# KiCad board 8851_HW-U1-VCU118_REV2-0_071417.kicad_pcb (continued)
## Routing (per net, layer and track width the routed paths; a pad name or vN(x,y) marks a point on that pad's centre or on a via; arc(x,y) is an arc through that point) (continued)
DDR4_C2_DQS2_C: length 45.7
  TOP w0.142: v2(131.14,70.71) 130.65,70.22 ; v1(156.26,60.68) 156.65,60.29
  05_SIG2 w0.125: v2(131.14,70.71) 131.14,70.43 131.03,70.32 130.85,70.32 130.68,70.49 130.68,70.89 130.89,71.1 131.3,71.1 131.53,70.87 131.53,70.47 131.88,70.11 132.28,70.11 132.51,69.89 132.51,69.48 132.86,69.13 133.27,69.13 133.5,68.9 133.5,68.5 133.85,68.15 134.25,68.15 134.48,67.92 134.48,67.51 134.83,67.16 135.24,67.16 135.46,66.93 135.46,66.53 135.82,66.18 136.22,66.18 136.45,65.95 136.45,65.35 137.41,64.38 138.1,64.38 138.42,64.06 138.42,63.58 138.77,63.23 139.91,63.23 140.21,62.92 140.21,62.84
  05_SIG2 w0.175: 151.54,58.84 151.87,59.17 151.87,60.84 152.14,61.11 156.42,61.11 156.5,61.03 156.5,60.93 v1(156.26,60.68) ; 140.38,62.67 140.21,62.84
  05_SIG2 w0.205: 151.54,58.84 151.44,58.74 150.21,58.74 150.03,58.56 150.03,56.49 149.7,56.16 149.19,56.16 148.81,56.54 148.81,58.61 148.68,58.74 147.71,58.74 147.59,58.62 147.59,57.22 147.28,56.92 146.54,56.92 146.13,57.33 146.13,59.01 146.02,59.11 143.94,59.11 140.38,62.67
  vias: v1(160.19,59.9)
DDR4_C2_DQS2_T: length 46.3
  TOP w0.142: v2(130.15,70.71) 129.66,70.22 ; 157.44,60.29 v1(157.05,60.68)
  TOP w0.375: U1.AU29 v2(122.28,51.03)
  05_SIG2 w0.105: 140.39,63.09 140.38,63.09
  05_SIG2 w0.125: v2(130.15,70.71) 130.65,71.21 130.75,71.31 131.39,71.31 131.74,70.96 131.74,70.55 131.97,70.32 132.37,70.32 132.72,69.97 132.72,69.57 132.95,69.34 133.35,69.34 133.7,68.99 133.7,68.58 133.93,68.36 134.34,68.36 134.69,68 134.69,67.6 134.92,67.37 135.32,67.37 135.67,67.02 135.67,66.62 135.9,66.39 136.3,66.39 136.65,66.04 136.65,65.43 137.5,64.59 138.18,64.59 138.63,64.14 138.63,63.66 138.85,63.43 140,63.43 140.34,63.09 140.38,63.09
  05_SIG2 w0.175: v1(157.05,60.68) 156.8,60.93 156.8,61.16 156.55,61.41 152.02,61.41 151.57,60.97 151.57,59.3 151.33,59.05 ; 140.59,62.89 140.39,63.09
  05_SIG2 w0.205: 151.33,59.05 151.31,59.04 150.08,59.04 149.73,58.68 149.73,56.61 149.57,56.46 149.32,56.46 149.11,56.67 149.11,58.74 148.81,59.04 147.59,59.04 147.29,58.74 147.29,57.35 147.16,57.22 146.67,57.22 146.43,57.46 146.43,59.13 146.14,59.42 144.06,59.42 140.59,62.89
DDR4_C2_DQS3_C: length 60.4
  TOP w0.142: v2(127.2,73.66) 126.71,73.17 ; 152.71,63.44 v1(152.32,63.05)
  03_SIG1 w0.125: 140.38,75.29 140.33,75.25 130.89,75.25 130.54,74.89 130.54,74.49 130.31,74.26 128.92,74.26 128.58,73.92 128.58,73.48 128.37,73.28 127.33,73.28 127.2,73.4 v2(127.2,73.66)
  03_SIG1 w0.175: v1(152.32,63.05) 152.41,63.13 152.6,63.13 152.68,63.05 152.68,62.82 152.45,62.59 152.11,62.59 151.92,62.78 151.92,63.48 151.54,63.86
  03_SIG1 w0.205: 140.38,75.29 141,75.29 141.18,75.47 141.18,75.66 141.02,75.82 140.71,75.82 140.4,76.13 140.4,76.96 140.67,77.22 141.97,77.22 142.35,76.85 142.35,74.44 142.49,74.31 142.79,74.31 142.93,74.44 142.93,76.77 143.2,77.05 143.75,77.05 144.1,76.7 144.1,74.35 144.2,74.25 144.67,74.25 145.1,74.68 145.1,76.72 145.41,77.04 146.09,77.04 146.43,76.7 146.43,74.21 144.91,72.7 142.78,72.7 142.58,72.5 142.58,72.21 142.72,72.07 144.84,72.07 145.15,71.76 145.15,68.53 145.3,68.39 148.15,68.39 150.54,65.99 150.54,64.86 151.54,63.86
DDR4_C2_DQS3_T: length 60.4
  TOP w0.142: v2(127.2,72.68) 126.71,72.19 ; v1(153.11,63.05) 153.5,63.44
  03_SIG1 w0.125: 140.38,74.99 140.33,75.04 130.98,75.04 130.75,74.81 130.75,74.4 130.4,74.05 129,74.05 128.78,73.83 128.78,73.39 128.46,73.07 127.36,73.07 127.2,72.91 v2(127.2,72.68)
  03_SIG1 w0.175: v1(153.11,63.05) 152.98,62.92 152.98,62.7 152.57,62.29 151.98,62.29 151.62,62.66 151.62,63.36 151.54,63.43
  03_SIG1 w0.205: 151.54,63.43 151.33,63.65 150.24,64.73 150.24,65.87 148.02,68.09 145.17,68.09 144.85,68.41 144.85,71.64 144.71,71.77 142.6,71.77 142.28,72.09 142.28,72.63 142.65,73 144.79,73 146.12,74.33 146.12,76.58 145.96,76.74 145.54,76.74 145.4,76.6 145.4,74.55 144.79,73.95 144.08,73.95 143.8,74.23 143.8,76.58 143.63,76.75 143.32,76.75 143.22,76.65 143.22,74.32 142.91,74.01 142.37,74.01 142.05,74.32 142.05,76.73 141.85,76.92 140.79,76.92 140.7,76.83 140.7,76.25 140.84,76.12 141.15,76.12 141.48,75.79 141.48,75.34 141.12,74.99 140.38,74.99
DDR4_C2_DQS4_C: length 42
  TOP w0.142: v1(156.26,74.56) 156.65,74.17 ; v2(139.01,76.62) 138.52,76.12
  07_SIG3 w0.125: 140.31,76.48 140.29,76.49 139.73,76.49 139.21,77.01 138.71,77.01 138.62,76.92 138.62,76.74 138.75,76.62 v2(139.01,76.62)
  07_SIG3 w0.175: v1(156.26,74.56) 156.42,74.56 156.51,74.65 156.51,74.8 156.33,74.97 151.9,74.97 151.75,74.82 ; 140.38,76.48 140.31,76.48
  07_SIG3 w0.205: 140.38,76.48 140.79,76.48 141.42,75.85 144.49,75.85 147.85,72.5 148.57,72.5 149.69,71.38 149.69,70.42 151.13,68.98 157.33,68.98 157.7,69.35 157.7,70.1 157.4,70.41 154.64,70.41 154.44,70.61 154.44,70.9 154.23,71.11 153.82,71.11 153.62,70.9 153.62,70.61 153.41,70.41 152.89,70.41 151.54,71.76 151.54,74.61 151.75,74.82
  vias: v1(160.19,73.77)
DDR4_C2_DQS4_T: length 41.9
  TOP w0.142: v2(138.03,76.62) 137.54,76.12 ; 157.44,74.17 v1(157.05,74.56)
  07_SIG3 w0.125: v2(138.03,76.62) 138.29,76.62 138.42,76.74 138.42,77 138.63,77.21 139.31,77.21 139.82,76.7 140.14,76.7 140.23,76.78
  07_SIG3 w0.175: 151.54,75.04 151.78,75.27 156.46,75.27 156.81,74.92 156.81,74.8 v1(157.05,74.56)
  07_SIG3 w0.205: 140.23,76.78 140.91,76.78 141.54,76.15 144.62,76.15 147.97,72.8 148.69,72.8 149.99,71.5 149.99,70.55 151.25,69.28 157.21,69.28 157.4,69.47 157.4,69.98 157.27,70.11 152.77,70.11 151.24,71.64 151.24,74.73 151.54,75.04
DDR4_C2_DQS5_C: length 36.2
  TOP w0.142: v2(139.01,80.55) 138.52,80.06 ; 152.71,77.32 v1(152.32,76.92)
  05_SIG2 w0.125: v2(139.01,80.55) 138.67,80.55 138.59,80.47 138.59,80.34 138.77,80.16 139.87,80.16 139.92,80.22
  05_SIG2 w0.175: 140.38,80.22 139.92,80.22 ; 152.06,80.01 151.9,79.85 151.9,76.73 152.22,76.41 152.51,76.41 152.7,76.6 152.7,76.92 152.55,77.08 152.47,77.08 v1(152.32,76.92)
  05_SIG2 w0.205: 140.38,80.22 140.6,80.22 140.98,79.83 141.43,79.83 142.1,80.5 142.63,80.5 142.95,80.17 142.95,79.69 143.09,79.55 144.95,79.55 145.16,79.76 145.16,79.99 144.98,80.17 143.93,80.17 142.53,81.57 142.53,83.08 142.9,83.45 143.4,83.45 143.7,83.15 143.7,82.12 144.51,81.31 144.76,81.31 144.94,81.49 144.94,81.75 144.4,82.29 144.4,82.8 144.61,83.01 148.8,83.01 149.09,83.3 150.03,83.3 150.32,83.01 151.08,83.01 152.28,81.82 152.28,80.22 152.06,80.01
DDR4_C2_DQS5_T: length 36.4
  TOP w0.142: v2(138.03,80.55) 137.54,80.06 ; v1(153.11,76.92) 153.5,77.32
  05_SIG2 w0.125: v2(138.03,80.55) 138.63,79.96 139.88,79.96 139.92,79.92
  05_SIG2 w0.175: 140.38,79.92 139.92,79.92 ; 151.64,80.01 151.6,79.97 151.6,76.61 152.1,76.11 152.63,76.11 153.11,76.59 v1(153.11,76.92)
  05_SIG2 w0.205: 151.64,80.01 151.97,80.34 151.97,81.7 150.96,82.71 150.2,82.71 149.91,83 149.21,83 148.92,82.71 144.74,82.71 144.7,82.67 144.7,82.42 145.24,81.87 145.24,81.37 144.89,81.01 144.39,81.01 143.4,82 143.4,83.02 143.28,83.15 143.02,83.15 142.83,82.95 142.83,81.7 144.05,80.47 145.1,80.47 145.46,80.11 145.46,79.64 145.07,79.25 142.97,79.25 142.65,79.56 142.65,80.05 142.5,80.2 142.22,80.2 141.56,79.53 140.86,79.53 140.47,79.92 140.38,79.92
DDR4_C2_DQS6_C: length 73.9
  TOP w0.142: 133.6,77.11 v2(134.09,77.6) ; v1(156.26,88.43) 156.65,88.04
  07_SIG3 w0.125: v2(134.09,77.6) 134.09,77.34 133.97,77.21 133.84,77.21 133.7,77.35 133.7,78.8 133.88,78.98 135.32,78.98 135.67,79.33 135.67,79.73 135.9,79.96 136.3,79.96 136.66,80.31 136.66,80.71 136.88,80.94 137.29,80.94 137.64,81.29 137.64,81.7 137.87,81.93 138.27,81.93 138.62,82.28 138.62,82.68 138.85,82.91 139.28,82.91 139.42,82.77 139.62,82.77 139.76,82.91 139.88,82.91 140.29,83.32 140.36,83.32 140.38,83.35
  07_SIG3 w0.175: 160.82,85.63 160.81,85.65 159.81,85.65 159.79,85.63 ; v1(156.26,88.43) 156.26,88.16 156.37,88.05 156.55,88.05 156.65,88.14 156.65,88.68 156.5,88.83 152.06,88.83 151.91,88.69 151.91,87.06 151.54,86.68
  07_SIG3 w0.205: 151.54,86.68 151.38,86.52 148.67,86.52 148.49,86.34 148.49,86.25 148.68,86.06 151.73,86.06 152.17,85.62 157.07,85.62 157.51,85.18 158.57,85.18 158.88,84.87 158.88,83.83 159.02,83.69 159.29,83.69 159.43,83.83 159.43,85.27 159.79,85.63 ; 140.38,83.35 141.82,84.78 151.54,84.78 151.75,84.58 156.56,84.58 156.7,84.44 156.7,84.27 156.6,84.17 156.6,83.75 156.9,83.45 157.31,83.45 157.41,83.55 157.58,83.55 158.43,82.71 158.43,82.54 158.29,82.4 158.29,81.98 158.59,81.69 159.01,81.69 159.14,81.82 159.48,81.82 159.77,81.53 159.77,80.23 160.25,79.75 160.82,79.75 161.24,80.16 161.24,82.34 160.99,82.59 160.38,82.59 160.24,82.73 160.24,82.96 160.69,83.41 160.69,83.99 161.19,84.49 161.19,85.27 160.82,85.63
  BOTTOM w0.25: 159.43,88.11 159.73,88.11 v1(160.19,87.65)
DDR4_C2_DQS6_T: length 73.1
  TOP w0.142: 133.6,76.12 v2(134.09,76.62) ; 157.44,88.04 v1(157.05,88.43)
  07_SIG3 w0.125: v2(134.09,76.62) 134.09,76.88 133.97,77.01 133.76,77.01 133.49,77.27 133.49,78.89 133.79,79.18 135.24,79.18 135.47,79.41 135.47,79.82 135.81,80.16 136.22,80.16 136.45,80.4 136.45,80.8 136.8,81.15 137.2,81.15 137.43,81.38 137.43,81.78 137.78,82.14 138.19,82.14 138.42,82.36 138.42,82.77 138.77,83.12 139.79,83.12 140.15,83.47 140.15,83.54 140.17,83.56
  07_SIG3 w0.175: v1(157.05,88.43) 156.95,88.53 156.95,88.81 156.62,89.13 151.93,89.13 151.61,88.81 151.61,87.18 151.54,87.11
  07_SIG3 w0.205: 140.17,83.56 140.89,84.28 141.69,85.08 151.66,85.08 151.87,84.88 156.69,84.88 157,84.56 157,84.14 156.9,84.04 156.9,83.87 157.02,83.75 157.19,83.75 157.29,83.85 157.71,83.85 158.73,82.83 158.73,82.41 158.59,82.28 158.59,82.11 158.71,81.99 158.88,81.99 159.02,82.12 159.6,82.12 160.07,81.65 160.07,80.35 160.38,80.05 160.7,80.05 160.94,80.29 160.94,82.22 160.86,82.29 160.25,82.29 159.94,82.61 159.94,83.08 160.39,83.53 160.39,84.12 160.89,84.62 160.89,85.14 160.68,85.35 159.93,85.35 159.73,85.14 159.73,83.7 159.42,83.39 158.89,83.39 158.58,83.7 158.58,84.74 158.44,84.88 157.38,84.88 156.95,85.32 152,85.32 151.56,85.76 148.56,85.76 148.19,86.13 148.19,86.47 148.55,86.83 151.26,86.83 151.54,87.11
DDR4_C2_DQS7_C: length 56.4
  TOP w0.142: v2(132.12,79.57) 131.63,79.08 ; v1(152.32,90.8) 152.71,91.19
  14_SIG4 w0.105: v2(132.12,79.57) 132.52,79.18 133.31,79.18 133.5,79.36 133.5,80.82 133.82,81.15 135.32,81.15 135.47,81.29 135.47,82.76 135.8,83.1 136.3,83.1 136.5,83.31 136.5,83.46
  14_SIG4 w0.106: 151.54,90.01 151.57,90.01 151.6,89.98 151.79,89.98 152.02,90.21 152.38,90.21 152.55,90.37 152.55,90.57 v1(152.32,90.8)
  14_SIG4 w0.128: 139.72,83.65 139.37,84 136.76,84 136.5,83.74 136.5,83.46
  14_SIG4 w0.138: 139.72,83.65 141.16,83.65 141.75,83.06 144.59,83.06 146.03,81.62 151.37,81.62 152.09,80.9 156.62,80.9 156.88,81.16 156.88,82.17 156.74,82.31 156.35,82.31 156.02,82.64 156.02,83.2 156.35,83.53 156.86,83.53 157.06,83.74 157.06,84.26 156.79,84.53 155.63,84.53 155.47,84.37 155.47,82.52 155.15,82.2 154.56,82.2 154.25,82.52 154.25,83.85 154.06,84.04 153.73,84.04 153.58,83.88 153.58,82.67 153.19,82.29 152.74,82.29 152.36,82.67 152.36,83.21 150.51,85.06 150.51,89.36 151.15,90.01 151.54,90.01
DDR4_C2_DQS7_T: length 56.4
  TOP w0.142: 153.5,91.19 v1(153.11,90.8) ; 131.63,78.09 v2(132.12,78.59)
  14_SIG4 w0.105: 136.69,83.01 136.49,83.01 136.38,82.9 135.89,82.9 135.67,82.68 135.67,81.21 135.4,80.95 133.9,80.95 133.7,80.74 133.7,79.28 133.4,78.98 132.25,78.98 132.12,78.85 v2(132.12,78.59)
  14_SIG4 w0.106: v1(153.11,90.8) 152.79,90.48 152.79,90.27 152.48,89.96 152.12,89.96 151.9,89.74 151.6,89.74 151.57,89.71 151.54,89.71
  14_SIG4 w0.128: 136.69,83.01 139.37,83.01 139.72,83.35
  14_SIG4 w0.138: 139.72,83.35 141.03,83.35 141.63,82.76 144.47,82.76 145.91,81.32 151.24,81.32 151.97,80.6 156.74,80.6 157.18,81.04 157.18,82.29 156.86,82.61 156.48,82.61 156.32,82.77 156.32,83.08 156.48,83.23 156.98,83.23 157.36,83.61 157.36,84.39 156.91,84.83 155.51,84.83 155.17,84.49 155.17,82.65 155.02,82.5 154.68,82.5 154.55,82.64 154.55,83.98 154.18,84.34 153.61,84.34 153.28,84.01 153.28,82.8 153.07,82.59 152.86,82.59 152.66,82.8 152.66,83.33 150.81,85.18 150.81,89.24 151.28,89.71 151.54,89.71
DDR4_C2_DQS8_C: length 68.3
  TOP w0.142: v2(139.01,66.77) 138.52,66.28 ; 156.65,32.29 v1(156.26,32.68)
  14_SIG4 w0.105: v2(139.01,66.77) 139.01,67.09 138.93,67.17 138.63,67.17 138.52,67.06 138.52,66.57 138.62,66.47 138.62,46.87 138.79,46.7 139.39,46.7 139.77,46.32 139.77,44.25 139.87,44.15 140.02,44.15 140.15,44.28 140.15,44.35 140.17,44.37
  14_SIG4 w0.106: 151.77,33.73 152.04,33.47 155.61,33.47 156.11,32.97 156.11,32.83 v1(156.26,32.68)
  14_SIG4 w0.138: 151.77,33.73 151.77,33.78 151.16,34.4 150.62,34.4 149.84,33.62 149.66,33.62 149.51,33.76 149.51,34.01 150.69,35.18 150.69,35.79 150.32,36.16 149.87,36.16 149.49,35.78 149.28,35.78 148.81,36.25 148.81,36.61 148.33,37.09 147.87,37.09 147.01,37.95 146.71,37.95 146.52,38.15 146.52,39.89 146.19,40.22 145.7,40.22 145.46,39.98 145.46,37.93 145.37,37.84 144.88,37.84 144.81,37.91 144.81,40.06 144.65,40.22 144.49,40.38 143.88,40.38 143.57,40.07 143.57,38.62 143.51,38.56 142.97,38.56 142.89,38.64 142.89,41.36 141.71,42.54 141.71,43.27 141.52,43.47 141.52,44.12 141.71,44.31 141.71,47.37 141.31,47.78 140.81,47.78 140.48,47.44 140.48,44.68 140.17,44.37
  vias: v1(160.19,31.9)
DDR4_C2_DQS8_T: length 68.5
  TOP w0.142: v1(157.05,32.68) 157.44,32.29 ; v2(138.03,66.77) 137.54,66.28
  14_SIG4 w0.105: 140.38,44.16 140.36,44.14 140.29,44.14 140.1,43.95 139.79,43.95 139.57,44.17 139.57,46.24 139.31,46.5 138.71,46.5 138.42,46.79 138.42,66.38 v2(138.03,66.77)
  14_SIG4 w0.106: 151.54,33.59 151.56,33.57 151.59,33.57 151.93,33.23 155.51,33.23 155.86,32.87 155.86,32.54 156.1,32.3 156.66,32.3 v1(157.05,32.68)
  14_SIG4 w0.138: 140.38,44.16 140.59,44.36 140.78,44.55 140.78,47.31 140.94,47.48 141.18,47.48 141.41,47.25 141.41,44.44 141.22,44.24 141.22,43.34 141.41,43.15 141.41,42.41 142.59,41.23 142.59,38.51 142.85,38.26 143.63,38.26 143.87,38.5 143.87,39.95 144,40.08 144.36,40.08 144.51,39.93 144.51,37.79 144.76,37.54 145.49,37.54 145.76,37.81 145.76,39.85 145.82,39.92 146.06,39.92 146.22,39.76 146.22,38.02 146.59,37.65 146.89,37.65 147.74,36.79 148.21,36.79 148.51,36.49 148.51,36.12 149.15,35.48 149.62,35.48 149.99,35.86 150.19,35.86 150.39,35.66 150.39,35.31 149.21,34.14 149.21,33.64 149.53,33.32 149.96,33.32 150.74,34.1 151.03,34.1 151.54,33.59
DDR4_C2_DQS9_T: length 59.5
  TOP w0.142: v1(153.11,35.05) 153.5,35.44 ; v2(134.09,67.76) 133.6,67.27
  03_SIG1 w0.125: 139.44,59.99 139.43,60.01 139.43,60.08 139.23,60.27 138.77,60.27 138.42,60.63 138.42,61.03 138.19,61.26 137.78,61.26 137.43,61.61 137.43,62.01 137.2,62.24 136.8,62.24 136.45,62.59 136.45,64.15 136.79,64.49 136.79,64.67 136.66,64.79 134.94,64.79 134.48,65.26 134.48,67.37 v2(134.09,67.76)
  03_SIG1 w0.175: v1(153.11,35.05) 152.98,34.92 152.98,34.18 152.57,33.77 152.01,33.77 151.54,34.25 ; 140.38,59.05 139.44,59.99
  03_SIG1 w0.205: 151.54,34.25 150.64,35.15 150.64,35.91 148.45,38.1 148.45,38.53 148.26,38.72 147.81,38.72 142.39,44.15 142.39,44.91 142.27,45.03 141.82,45.03 141.46,45.39 141.46,45.88 141.76,46.18 142.23,46.18 142.39,46.33 142.39,46.61 142.26,46.74 141.83,46.74 141.49,47.08 141.49,47.61 141.78,47.9 142.25,47.9 142.39,48.03 142.39,48.33 142.25,48.47 141.48,48.47 141.16,48.78 141.16,49.33 141.48,49.65 142.25,49.65 142.39,49.78 142.39,50.08 142.25,50.22 141.48,50.22 141.16,50.53 141.16,51.11 141.48,51.42 142.25,51.42 142.39,51.56 142.39,51.86 142.25,52 141.48,52 141.16,52.31 141.16,52.86 141.48,53.17 142.25,53.17 142.39,53.31 142.39,53.61 142.25,53.75 141.48,53.75 141.16,54.06 141.16,54.68 141.48,55 142.25,55 142.36,55.11 142.36,55.48 142.23,55.62 141.45,55.62 141.16,55.91 141.16,56.63 141.48,56.95 142.25,56.95 142.39,57.08 142.39,57.26 142.16,57.5 141.53,57.5 141.16,57.86 141.16,58.27 140.38,59.05
DDR4_C2_ODT: length 178.1
  TOP w0.15: 159.8,88.04 v1(160.19,88.43) ; 159.8,60.29 v1(160.19,60.68) ; v2(135.08,70.71) 134.58,70.22 ; v1(160.19,32.68) 159.8,32.29 ; 159.8,74.17 v1(160.19,74.56) ; 159.8,46.42 v1(160.19,46.81)
  TOP w0.275: 149.4,102.55 149.4,103.11 v3(149.31,103.21)
  03_SIG1 w0.17: v2(135.08,70.71) 135.57,71.2 139.23,71.2 140.38,70.06 ; 157.44,37.9 157.44,33.66 157.57,33.53 157.95,33.53 158.04,33.61 158.04,33.76 158.13,33.85 158.55,33.85 158.64,33.76 158.64,33.61 158.73,33.53 158.97,33.53 159.81,32.68 v1(160.19,32.68) 160.19,34.08 159.8,34.47 159.8,36.08 159.95,36.23 160.36,36.23 160.59,36.46 160.59,37.69 160.4,37.88 160.22,37.88 160.1,38 160.1,38.15 160.22,38.28 160.51,38.28 160.59,38.35 160.59,38.84 159.7,39.73 159.7,40.49 159.85,40.64 159.96,40.64 160.11,40.79 160.11,41 159.96,41.15 159.85,41.15 159.7,41.3 159.7,41.51 159.85,41.66 159.96,41.66 160.11,41.81 160.11,42.02 159.96,42.17 159.85,42.17 159.7,42.32 159.7,46.31 v1(160.19,46.81) 160.59,47.2 160.59,54.84 159.8,55.63 159.8,60.29 v1(160.19,60.68) 160.59,61.08 160.59,65.75 159.8,66.54 159.8,70.65 159.69,70.76 159.69,71.79 159.8,71.9 159.8,74.17 v1(160.19,74.56) 160.59,74.95 160.59,79.47 159.8,80.25 159.8,88.04 v1(160.19,88.43) 160.59,88.83 160.59,93.53 160.24,93.88
  03_SIG1 w0.287: 160.24,93.88 158.72,95.4 155.52,95.4 154.28,96.65 154.28,97.79 153.12,98.95 149.61,98.95 149.16,99.41 149.16,99.99 149.91,100.74 149.91,102.04 149.31,102.64 v3(149.31,103.21) ; 157.44,37.9 157.44,38.04 158.38,38.98 158.38,40.14 158.12,40.39 157.55,40.39 157.3,40.64 157.3,41 157.55,41.25 158.12,41.25 158.38,41.51 158.38,41.86 158.12,42.12 157.55,42.12 157.3,42.37 157.3,42.73 157.55,42.98 158.47,42.98 158.75,43.26 158.75,43.62 158.46,43.91 152.13,43.91 151.78,44.26 151.78,44.98 151.35,45.41 151.35,46.13 151.78,46.56 151.78,47.16 152.05,47.42 158.7,47.42 158.9,47.63 158.9,48.03 158.7,48.24 152.1,48.24 151.78,48.55 151.78,50.95 151.48,51.25 151.1,51.25 150.95,51.1 150.95,50.23 150.82,50.1 150.31,50.1 150.02,50.39 150.02,51.87 150.22,52.08 154.9,52.08 155.11,52.28 155.11,52.69 154.85,52.95 149.78,52.95 149.12,53.6 149.12,59.3 146.7,61.72 144.88,61.72 141.95,64.65 141.95,68.42 141.93,68.45 141.93,68.51 140.38,70.06
DDR4_C2_PAR: length 162.2
  TOP w0.15: 164.53,32.29 v1(164.92,32.68) ; 164.53,60.29 v1(164.92,60.68) ; v2(139.01,70.71) 138.52,70.22 ; 164.53,88.04 v1(164.92,88.43) ; 164.53,46.42 v1(164.92,46.81) ; 164.53,74.17 v1(164.92,74.56)
  05_SIG2 w0.17: v1(164.92,32.68) 164.92,33.68 163.74,34.86 163.74,35.21 163.97,35.44 164.35,35.44 164.53,35.62 164.53,38.26 164.7,38.43 165.03,38.43 165.2,38.6 165.2,38.94 165.06,39.08 164.73,39.08 164.64,39.17 164.64,40.16 164.53,40.28 164.53,43.12 164.7,43.29 165.12,43.29 165.29,43.46 165.29,43.8 165.12,43.97 164.7,43.97 164.53,44.14 164.53,46.42 v1(164.92,46.81) 164.53,47.2 164.53,53.65 164.51,53.66 164.51,54.02 164.53,54.03 164.53,60.29 v1(164.92,60.68) 164.53,61.08 164.53,66.99 164.63,67.1 164.63,68.95 164.53,69.05 164.53,74.17 v1(164.92,74.56) 164.53,74.95 164.53,80.92 164.59,80.99 164.59,82.23 164.53,82.3 164.53,88.04 v1(164.92,88.43) 164.92,89.36 164.53,89.76 164.53,93.35 165.06,93.88
  05_SIG2 w0.287: v3(166.6,100) 166.6,99.22 165.23,97.85 165.23,94.05 165.06,93.88
  14_SIG4 w0.087: v1(164.92,32.68) 165.31,32.29 165.31,30.16 165.28,30.13 ; 133.79,41.03 133.79,41.52 133.6,41.71 133.6,43.49 133.44,43.65 132.79,43.65 132.61,43.82 132.61,44.43 132.42,44.63 131.84,44.63 131.63,44.84 131.63,64.6 132.61,65.59 132.61,65.9 133.02,66.3 133.27,66.3 133.58,66.62 133.58,66.87 134.02,67.31 134.26,67.31 134.51,67.56 134.51,67.76 135.01,68.27 135.18,68.27 135.53,68.61 135.53,68.81 135.95,69.23 136.26,69.23 136.55,69.52 136.55,69.93 136.84,70.22 137.35,70.22 137.56,70.43 137.56,70.51 137.56,70.52 137.56,70.91 137.56,70.91 137.56,70.94 137.8,71.18 138.54,71.18 v2(139.01,70.71)
  14_SIG4 w0.155: 165.28,30.13 165.28,29.98 165.15,29.85 164.76,29.85 164.02,29.11 163.4,29.11 163.24,29.26 163.24,29.51 163.09,29.67 162.47,29.67 162.31,29.51 162.31,29.26 162.16,29.11 161.54,29.11 161.38,29.26 161.38,29.51 161.23,29.67 160.61,29.67 160.45,29.51 160.45,29.26 160.3,29.11 159.3,29.11 158.19,28 152.79,28 152.71,28.08 145.95,28.08 142.3,31.74 139.8,31.74 139.44,32.1 139.44,33.81 138.96,34.29 138.66,34.29 138.46,34.09 138.12,34.09 137.84,34.37 137.84,34.67 138.06,34.89 138.06,35.19 136.28,36.97 135.42,36.97 135.14,36.69 134.86,36.69 134.56,36.99 134.56,37.29 134.99,37.72 134.99,38.04 134.69,38.34 134.39,38.34 134.02,37.98 133.66,37.98 133.39,38.25 133.39,38.73 133.79,39.13 133.79,41.03
  BOTTOM w0.275: v3(166.6,100) 167.4,99.2 167.4,98.92
DDR4_C2_REFIN: length 5.5
  TOP w0.15: v3(142.45,104.6) 142.45,104.47 142.74,104.18 142.74,103.67 ; 142.74,102.42 142.74,103.67 ; 142.74,103.67 143.25,103.67 143.74,103.18 144.25,103.18
  BOTTOM w0.15: 143.3,103.44 143.3,103.63 142.74,104.19 142.74,104.31 v3(142.45,104.6)
DDR4_C2_RESET_B: length 161.7
  TOP w0.15: 162.95,44.84 v1(163.34,44.45) ; 162.95,72.59 v1(163.34,72.2) ; 162.95,86.47 v1(163.34,86.07) ; v2(137.04,76.62) 136.55,76.12 ; 162.95,30.72 v1(163.34,30.32) ; 162.95,58.72 v1(163.34,58.32)
  03_SIG1 w0.17: 164.53,93.88 164.53,92.21 164.29,91.98 163.95,91.98 163.74,91.76 163.74,86.47 v1(163.34,86.07) 163.63,85.79 163.63,82.52 163.52,82.41 163.52,81.06 163.74,80.84 163.74,72.59 v1(163.34,72.2) 163.77,71.77 163.77,68.78 163.49,68.5 163.49,67.19 163.74,66.93 163.74,58.72 v1(163.34,58.32) 164.06,57.61 164.06,55.3 163.52,54.76 163.52,52.24 163.74,52.02 163.74,44.84 v1(163.34,44.45) 164.53,43.27 164.53,42.82 164.67,42.67 164.78,42.67 164.93,42.52 164.93,42.31 164.78,42.16 164.67,42.16 164.53,42.01 164.53,40.51 164.67,40.37 164.67,38.97 164.53,38.82 164.53,35.67 164.29,35.44 163.18,35.44 162.95,35.21 162.95,34.66 163.74,33.88 163.74,30.95 163.34,30.55 v1(163.34,30.32)
  03_SIG1 w0.287: v3(162.4,99.83) 164.53,97.71 164.53,93.88
  07_SIG3 w0.17: v1(163.34,30.32) 163.15,30.13 ; 138.58,41.71 138.46,41.83 138.46,43.33 138.11,43.68 137.81,43.68 137.53,43.96 137.53,46.28 137.18,46.63 136.9,46.63 136.53,47 136.53,47.24 136.25,47.53 135.97,47.53 135.61,47.89 135.61,48.18 135.28,48.52 135,48.52 134.54,48.98 134.54,49.34 134.33,49.54 133.86,49.54 133.57,49.83 133.57,50.25 133.25,50.57 132.84,50.57 132.65,50.75 132.65,51.26 132.39,51.52 131.88,51.52 131.61,51.8 131.61,64.01 131.2,64.42 130.88,64.42 129.67,65.63 129.67,66.07 129.41,66.34 128.95,66.34 128.67,66.61 128.67,66.98 128.39,67.26 128.01,67.26 127.69,67.57 127.69,69.93 127.98,70.22 128.39,70.22 128.68,70.51 128.68,70.91 128.97,71.2 129.37,71.2 129.66,71.49 129.66,71.9 129.95,72.19 130.36,72.19 130.65,72.48 130.65,72.88 130.93,73.17 131.34,73.17 131.63,73.46 131.63,73.87 131.92,74.16 134.3,74.16 134.58,74.44 134.58,74.85 134.87,75.14 135.28,75.14 135.57,75.43 135.57,75.84 135.86,76.12 136.34,76.12 136.83,76.62 v2(137.04,76.62)
  07_SIG3 w0.287: 163.15,30.13 162.94,29.92 162.94,29.75 161.65,28.45 149.64,28.45 147.95,30.14 146.2,30.14 144.69,31.65 144.69,33.28 138.58,39.39 138.58,41.71
  BOTTOM w0.275: 162.4,99.13 v3(162.4,99.83)
DDR4_C2_TEN: length 170.9
  TOP w0.15: 162.16,37.02 v1(162.56,37.41) ; 162.16,78.89 v1(162.56,79.28) ; 162.16,92.77 v1(162.56,93.16) ; 162.16,51.14 v1(162.56,51.53) ; 162.16,65.02 v1(162.56,65.41) ; 132.62,76.12 v2(133.11,76.62)
  05_SIG2 w0.17: 151.54,38.02 151.55,38.02 151.84,37.73 151.84,34.66 152.03,34.47 156.18,34.47 156.43,34.23 156.69,34.23 156.94,34.47 157.2,34.47 157.45,34.23 157.71,34.23 157.96,34.47 158.22,34.47 158.47,34.23 158.73,34.23 158.98,34.47 159.24,34.47 159.49,34.23 159.75,34.23 160,34.47 162.78,34.47 162.95,34.64 162.95,35.26 162.95,37.3 162.84,37.41 v1(162.56,37.41) 162.56,37.87 162.64,37.95 163.23,37.95 163.32,38.04 163.32,38.3 163.21,38.41 162.63,38.41 162.56,38.48 162.56,40.77 162.73,40.95 163.29,40.95 163.39,41.05 163.39,41.36 163.31,41.44 162.71,41.44 162.56,41.59 162.56,42.77 162.64,42.85 163.08,42.85 163.17,42.93 163.17,43.36 163.07,43.46 162.87,43.46 162.74,43.59 162.74,43.97 162.95,44.18 162.95,51.14 v1(162.56,51.53) 163.08,52.05 163.08,55.44 162.95,55.57 162.95,65.02 v1(162.56,65.41) 162.56,71.4 162.95,71.79 162.95,78.89 v1(162.56,79.28) 162.56,84.36 162.95,84.75 162.95,92.77 v1(162.56,93.16) 162.87,93.48 162.87,93.63 163.13,93.88 ; v2(133.11,76.62) 133.11,76.89 132.62,77.37 132.62,77.91 132.44,78.09 130.93,78.09 130.65,77.82 130.65,77.38 130.4,77.12 129.97,77.12 129.68,76.83 129.68,76.4 129.38,76.1 128.95,76.1 128.68,75.83 128.68,73.52 128.33,73.17 127.89,73.17 127.69,72.97 127.69,70.51 127.98,70.22 128.39,70.22 128.68,69.93 128.68,66.57 128.97,66.28 129.37,66.28 129.66,65.99 129.66,65.59 129.99,65.26 130.72,65.26 131.65,64.33 131.65,63.6 131.92,63.33 132.33,63.33 132.62,63.04 132.62,62.63 132.9,62.35 133.31,62.35 133.6,62.06 133.6,61.65 133.89,61.36 134.3,61.36 134.58,61.07 134.58,60.67 134.87,60.38 135.28,60.38 135.57,60.09 135.57,59.68 135.86,59.39 136.26,59.39 136.55,59.1 136.55,58.7 136.84,58.41 137.25,58.41 137.54,58.12 137.54,57.71 137.82,57.42 138.23,57.42 138.52,57.14 138.52,56.73 138.81,56.44 139.33,56.44 139.5,56.27 139.5,56.05 139.62,55.92 139.81,55.92 139.93,56.05 139.93,56.14 140.05,56.27 140.2,56.27 140.6,55.87
  05_SIG2 w0.287: v3(151,99.8) 151.27,100.07 151.27,101.55 152.02,102.3 153.3,102.3 154.92,103.91 155.61,103.91 155.93,103.58 155.93,102.91 156.6,102.24 160.04,102.24 160.95,101.33 160.95,100.72 161.75,99.92 161.75,97.13 163.75,95.13 163.75,94.5 163.13,93.88 ; 140.6,55.87 140.84,55.63 140.84,55.24 141.09,54.99 141.48,54.99 141.72,54.75 141.72,54.4 142,54.11 142.36,54.11 142.59,53.88 142.59,53.49 142.85,53.24 143.23,53.24 143.47,53 143.47,52.63 143.74,52.36 144.11,52.36 144.35,52.12 144.35,51.74 144.61,51.48 144.99,51.48 145.22,51.25 145.22,50.89 145.99,50.12 145.99,40.28 146.83,39.44 147.36,39.44 148.03,38.78 148.54,38.78 148.84,38.47 149.2,38.47 149.2,38.48 149.56,38.48 149.86,38.18 149.86,37.31 150.14,37.03 150.73,37.03 151.05,37.34 151.05,37.81 151.26,38.02 151.54,38.02